# KiCad board kharon386_main.kicad_pcb (continued)
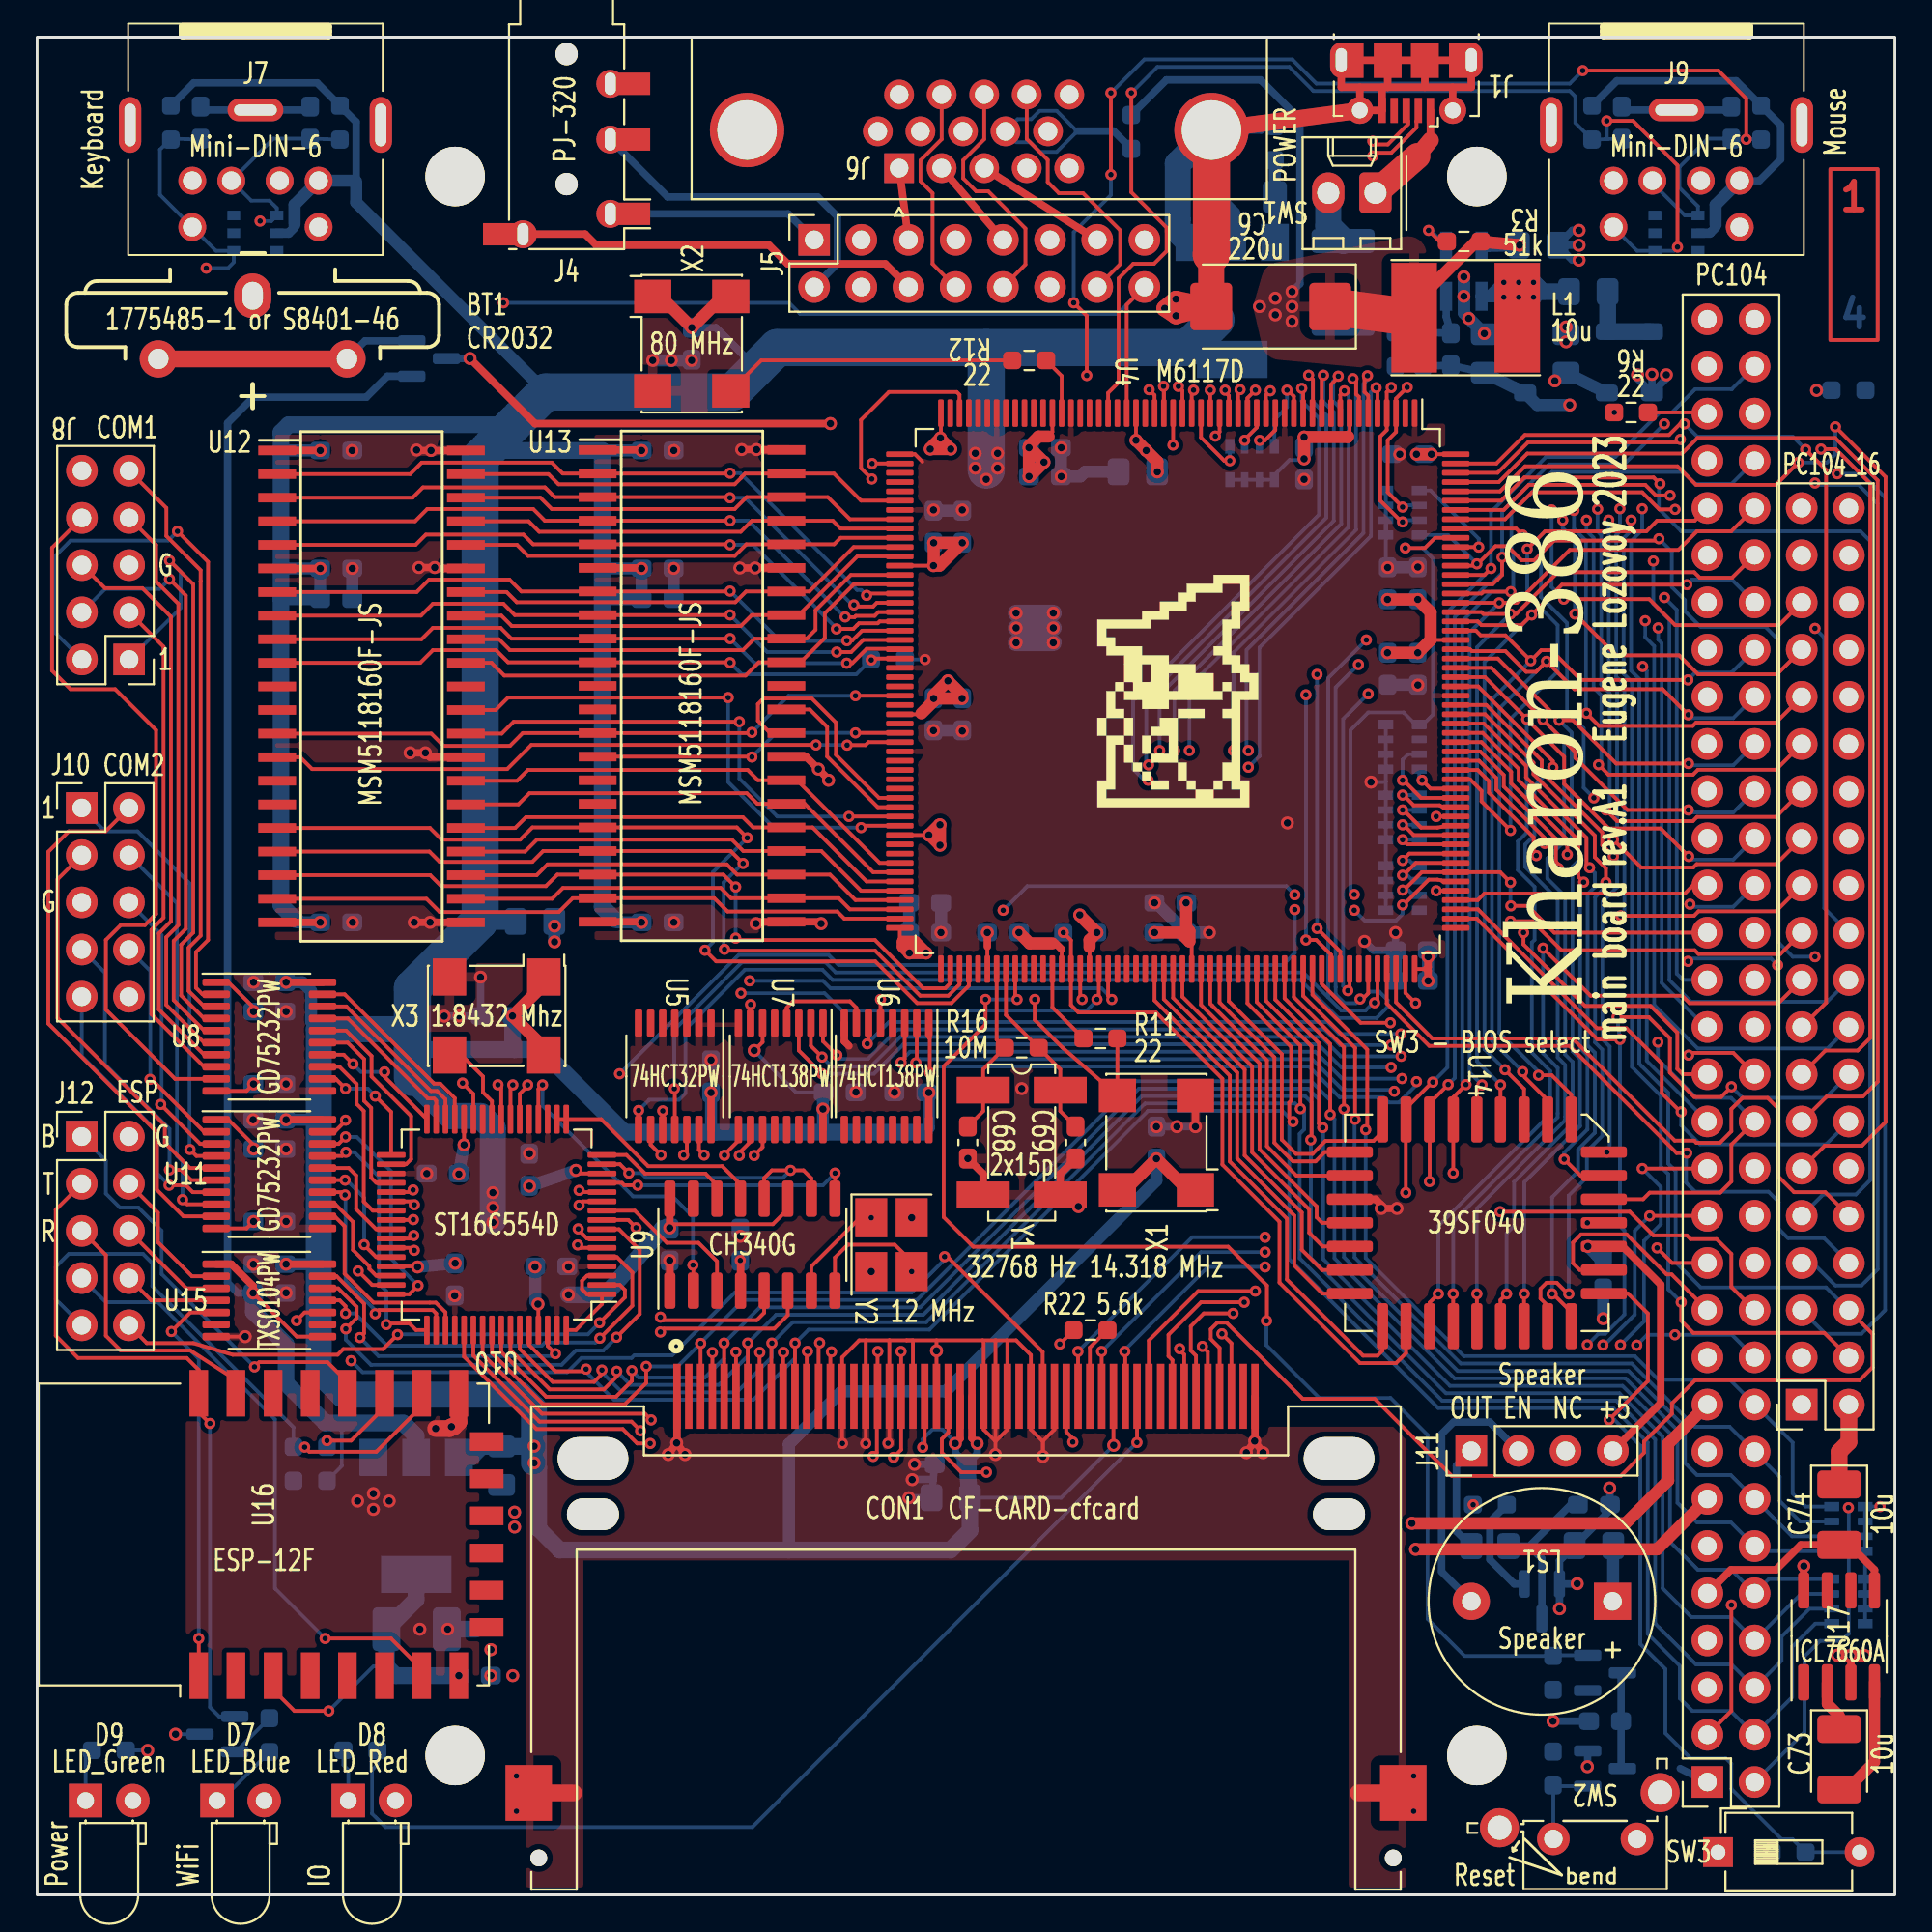
[diagram p0: board, top side]
## Placement (name value [footprint] x y rotation side) (continued)
R11  22  [R_0603_1608Metric_Pad0.98x0.95mm_HandSolder]  57.24 46.1 0 top
R12  22  [R_0603_1608Metric_Pad0.98x0.95mm_HandSolder]  53.4 82.6 180 top
R13  4.7k  [R_0603_1608Metric_Pad0.98x0.95mm_HandSolder]  56.15 51.8 180 bottom
R14  4.7k  [R_0603_1608Metric_Pad0.98x0.95mm_HandSolder]  92.8 95.4 270 bottom
R15  4.7k  [R_0603_1608Metric_Pad0.98x0.95mm_HandSolder]  83.7 95.4 270 bottom
R16  10M  [R_0603_1608Metric_Pad0.98x0.95mm_HandSolder]  53 45.6 0 top
R17  470  [R_0603_1608Metric_Pad0.98x0.95mm_HandSolder]  12.5 8.6 90 bottom
R18  470  [R_0603_1608Metric_Pad0.98x0.95mm_HandSolder]  17.4 7.78 0 bottom
R19  470  [R_0603_1608Metric_Pad0.98x0.95mm_HandSolder]  3.86 7.78 0 bottom
R20  33  [R_0805_2012Metric_Pad1.20x1.40mm_HandSolder]  78.2 18.77 0 bottom
R21  1k  [R_0603_1608Metric_Pad0.98x0.95mm_HandSolder]  78.2 21 0 bottom
R22  5.6k  [R_0603_1608Metric_Pad0.98x0.95mm_HandSolder]  56.7 30.4 180 top
R23  10k  [R_0603_1608Metric_Pad0.98x0.95mm_HandSolder]  81.6 11.95 270 bottom
R24  1k  [R_0603_1608Metric_Pad0.98x0.95mm_HandSolder]  97.5 81 180 bottom
R25  10k  [R_0603_1608Metric_Pad0.98x0.95mm_HandSolder]  13.8 23.2 270 bottom
R26  10k  [R_0603_1608Metric_Pad0.98x0.95mm_HandSolder]  94.28 2.3 180 bottom
R27  10k  [R_0603_1608Metric_Pad0.98x0.95mm_HandSolder]  15.6 23.2 270 bottom
RN1  4.7k  [R_Array_Convex_4x0603]  97.5 15.8 0 bottom
RN2  4.7k  [R_Array_Convex_4x0603]  97.5 19.7 0 bottom
RN3  4.7k  [R_Array_Convex_4x0603]  73.5 61.8 180 bottom
RN4  330  [R_Array_Convex_4x0603]  73.5 54.2 180 bottom
RN5  330  [R_Array_Convex_4x0603]  73.5 74.4 180 bottom
RN6  4.7k  [R_Array_Convex_4x0603]  65.4 77.08 90 bottom
RN7  1k  [R_Array_Convex_4x0603]  73.5 58 180 bottom
SW1  Jumper / Pin header 1x2 Pitch=2.54mm  [Molex_KK-254_AE-6410-02A_1x02_P2.54mm_Vertical]  72.04 91.62 180 top
SW2  SW_Push  [SW_Tactile_SPST_Angled_PTS645Vx83-2LFS]  86.12 3.01 180 top
SW3  SW_DIP_x01  [SW_DIP_SPSTx01_Slide_6.7x4.1mm_W7.62mm_P2.54mm_LowProfile]  90.48 2.3 0 top
U1  1117-3.3  [SOT-223-3_TabPin2]  20.4 20.4 270 bottom
U2  LMR62014  [SOT-23-5_HandSoldering]  76.8 87.4 90 bottom
U3  MAX809LEUR  [SOT-23]  84.4 11.95 0 bottom
U4  M6117D  [PQFP-208_28x28mm_P0.5mm]  61.4 64.8 270 top
U5  74HCT32PW  [TSSOP-14_4.4x5mm_P0.65mm]  34.32 44.06 270 top
U6  74HCT138PW  [TSSOP-16_4.4x5mm_P0.65mm]  45.72 44.06 270 top
U7  74HCT138PW  [TSSOP-16_4.4x5mm_P0.65mm]  40.03 44.06 270 top
U8  GD75232PW  [TSSOP-20_4.4x6.5mm_P0.65mm]  12.5 46.2 0 top
U9  CH340G  [SOIC-16_3.9x9.9mm_P1.27mm]  38.5 35 90 top
U10  ST16C554D  [LQFP-64_10x10mm_P0.5mm]  24.73 36.08 180 top
U11  GD75232PW  [TSSOP-20_4.4x6.5mm_P0.65mm]  12.5 38.8 0 top
U12  MSM5118160F-JS  [SOJ-42]  17.95 64.1 0 top
U13  MSM5118160F-JS  [SOJ-42]  35.2 64.13 0 top
U14  39SF040  [PLCC-32_11.4x14.0mm_P1.27mm-longpads]  77.5 36.17 270 top
U15  TXS0104PW  [TSSOP-14_4.4x5mm_P0.65mm]  12.5 32 0 top
U16  ESP-12F  [ESP-12E]  12.2 19.4 90 top
U17  ICL7660A  [SOIC-8_3.9x4.9mm_P1.27mm]  97 13.91 90 top
U18  IP4220CZ6  [TSOP-6_1.65x3.05mm_P0.95mm]  11.74 89.45 0 bottom
U19  IP4220CZ6  [TSOP-6_1.65x3.05mm_P0.95mm]  88.25 89.45 0 bottom
X1  14.318 MHz  [Oscillator_SMD_7050_7.0x5.0mm]  60.25 40.49 90 top
X2  80 MHz  [Oscillator_SMD_7050_7.0x5.0mm]  35.24 83.5 270 top
X3  1.8432 Mhz  [Oscillator_SMD_7050_7.0x5.0mm]  24.73 47.31 180 top
Y1  32768 Hz  [Crystal_SMD_SeikoEpson_MC306-4Pin_8.0x3.2mm_HandSoldering]  53 40.5 270 top
Y2  12 MHz  [Crystal_SMD_SeikoEpson_TSX3225-4Pin_3.2x2.5mm_HandSoldering]  45.99 35 270 top

## Library data of the parts
BT1 = -: Description: Multiple-cell battery
C1 C3-C5 C7-C72 = -: Description: Unpolarized capacitor
C2 C6 C73 C74 = -: Description: Polarized capacitor
D1 D5 D6 = -: Description: 20V 0.5A Schottky Power Rectifier Diode, SOD-123
D2 = -: Description: dual schottky barrier diode, common cathode
D3 = -: Description: Zener diode
D4 = -: Description: Silicon controlled rectifier, cathode/anode/gate
D7-D9 = -: Description: Light emitting diode
F1 = -: Description: Resettable fuse, polymeric positive temperature coefficient
H1-H4 = -: Description: Mounting Hole without connection
J1 = -: Description: USB Micro Type B connector
J2 = -: Description: Generic connector, double row, 02x20, odd/even pin numbering scheme (row 1 odd numbers, row 2 even numbers), script generated (kicad-library-utils/schlib/autogen/connector/); Field4: D    C
J3 = -: Description: Generic connector, double row, 02x32, odd/even pin numbering scheme (row 1 odd numbers, row 2 even numbers), script generated (kicad-library-utils/schlib/autogen/connector/); Field4: A    B
J4 = -: Description: Audio Jack, 4 Poles (TRRS); Desc: RPi pinout
J5 = -: Description: Generic connector, double row, 02x08, odd/even pin numbering scheme (row 1 odd numbers, row 2 even numbers), script generated (kicad-library-utils/schlib/autogen/connector/)
J6 = -: Description: 15-pin female D-SUB connector, High density (3 columns), Triple Row, Generic, VGA-connector, Mounting Hole
J7 J9 = -: Description: 6-pin Mini-DIN connector
J8 J10 J12 = -: Description: Generic connector, double row, 02x05, odd/even pin numbering scheme (row 1 odd numbers, row 2 even numbers), script generated (kicad-library-utils/schlib/autogen/connector/)
J11 = -: Description: Generic connector, single row, 01x04, script generated (kicad-library-utils/schlib/autogen/connector/)
L1 = -: Description: Inductor
LOGO1 = -: Desc: Logo
Q1 Q3 = -: Description: 0.1A Ic, 65V Vce, PNP Transistor, SOT-23
Q2 = -: Description: 0.8A Ic, 45V Vce, NPN Transistor, SOT-23
R1-R27 = -: Description: Resistor
RN1-RN7 = -: Description: 4 resistor network, parallel topology
SW1 = -: Description: Single Pole Single Throw (SPST) switch
SW2 = -: Description: Push button switch, generic, two pins; Desc: Reset
SW3 = -: Description: 1x DIP Switch, Single Pole Single Throw (SPST) switch, small symbol
U1 = -: Description: 1A Low Dropout regulator, positive, 3.3V fixed output, SOT-223
U5 = -: Description: Quad 2-input OR
U6 U7 = -: Description: Decoder 3 to 8 active low outputs
U8 U11 = -: Description: Multiple RS-232 Driver and Receiver, TSSOP-20
U9 = -: Description: USB serial converter, UART, SOIC-16
U14 = -: Description: Silicon Storage Technology (SSF) 128k x 8 Flash ROM
U15 = -: Description: 4-Bit Bidirectional Voltage-Level Translator, Auto Direction Sensing and ±15-kV ESD Protection, 1.2 - 3.6V APort, 1.65 - 5.5V BPort, TSSOP-14
U16 = -: Description: 802.11 b/g/n Wi-Fi Module
U17 = -: Description: Switched-Capacitor Voltage Converter, 1.5V to 10.0V operating supply voltage, 10mA with a 0.5V output drop, SO-8/DIP-8/µMAX-8/TO-99
X1-X3 = -: Description: HCMOS Clock Oscillator
Y1 = -: Description: Four pin crystal, GND on pins 2 and 3
Y2 = -: Description: Four pin crystal, GND on pins 2 and 4

## Footprints (pads in the part's own frame, mm; a bottom-side part is the same pattern mirrored in y, then rotated)
Buzzer_12x9.5RM7.6
  rect 2x2 hole 1: 1(0,0)
  round 2 hole 1: 2(7.6,0)
C_0603_1608Metric_Pad1.08x0.95mm_HandSolder
  rrect 1.075x0.95 smd: 1(-0.863,0) 2(0.863,0)
C_0805_2012Metric_Pad1.18x1.45mm_HandSolder
  rrect 1.175x1.45 smd: 1(-1.038,0) 2(1.038,0)
CP_EIA-3528-21_Kemet-B_Pad1.50x2.35mm_HandSolder
  rrect 1.5x2.35 smd: 1(-1.625,0) 2(1.625,0)
CP_EIA-7343-31_Kemet-D_Pad2.25x2.55mm_HandSolder
  rrect 2.25x2.55 smd: 1(-3.2,0) 2(3.2,0)
CR2032V
  round 2 hole 1.1: 1(0,0) 1(10.16,0)
  oval 2x2.4 hole 1.1x1.5: 2(5.08,3.4)
Crystal_SMD_SeikoEpson_MC306-4Pin_8.0x3.2mm_HandSoldering
  rect 1.43x2.85 smd: 1(-2.815,-2.075) 2(2.815,-2.075) 3(2.815,2.075) 4(-2.815,2.075)
Crystal_SMD_SeikoEpson_TSX3225-4Pin_3.2x2.5mm_HandSoldering
  rect 2.1x1.725 smd: 1(-1.45,-1.087) 2(1.45,-1.087) 3(1.45,1.087) 4(-1.45,1.087)
D_MiniMELF
  rrect 1.3x1.7 smd: 1(-1.75,0) 2(1.75,0)
D_SOD-123
  rrect 0.9x1.2 smd: 1(-1.65,0) 2(1.65,0)
DSUB-15-HD_Female_Horizontal_P2.29x1.98mm_EdgePinOffset3.03mm_Housed_MountingHolesOffset4.94mm
  round 4 hole 3.2: 0(-16.815,-2.05) 0(8.185,-2.05)
  rect 1.6x1.6 hole 1: 1(0,0)
  round 1.6 hole 1: 2(-2.29,0) 3(-4.58,0) 4(-6.87,0) 5(-9.16,0) 6(1.145,-1.98) 7(-1.145,-1.98) 8(-3.435,-1.98) 9(-5.725,-1.98) 10(-8.015,-1.98) 11(0,-3.96) 12(-2.29,-3.96) 13(-4.58,-3.96) 14(-6.87,-3.96) 15(-9.16,-3.96)
ESP-12E
  rect 2.5x1 smd: 1(-7.6,3.5) 2(-7.6,1.5) 3(-7.6,-0.5) 4(-7.6,-2.5) 5(-7.6,-4.5) 6(-7.6,-6.5) 7(-7.6,-8.5) 8(-7.6,-10.5) 15(7.6,-10.5) 16(7.6,-8.5) 17(7.6,-6.5) 18(7.6,-4.5) 19(7.6,-2.5) 20(7.6,-0.5) 21(7.6,1.5) 22(7.6,3.5)
  rect 1x1.8 smd: 9(-5,-12) 10(-3,-12) 11(-1,-12) 12(1,-12) 13(3,-12) 14(5,-12)
Fuse_1812_4532Metric_Pad1.30x3.40mm_HandSolder
  rrect 1.3x3.4 smd: 1(-2.225,0) 2(2.225,0)
L_Taiyo-Yuden_NR-60xx_HandSoldering
  rect 2.45x5.9 smd: 1(-2.775,0) 2(2.775,0)
LED_D3.0mm_Horizontal_O1.27mm_Z6.0mm
  rect 1.8x1.8 hole 0.9: 1(0,0)
  round 1.8 hole 0.9: 2(2.54,0)
LQFP-64_10x10mm_P0.5mm
  rrect 1.55x0.3 smd: 1(-5.675,3.75) 2(-5.675,3.25) 3(-5.675,2.75) 4(-5.675,2.25) 5(-5.675,1.75) 6(-5.675,1.25) 7(-5.675,0.75) 8(-5.675,0.25) 9(-5.675,-0.25) 10(-5.675,-0.75) 11(-5.675,-1.25) 12(-5.675,-1.75) 13(-5.675,-2.25) 14(-5.675,-2.75) 15(-5.675,-3.25) 16(-5.675,-3.75) 33(5.675,-3.75) 34(5.675,-3.25) 35(5.675,-2.75) 36(5.675,-2.25) 37(5.675,-1.75) 38(5.675,-1.25) 39(5.675,-0.75) 40(5.675,-0.25) 41(5.675,0.25) 42(5.675,0.75) 43(5.675,1.25) 44(5.675,1.75) 45(5.675,2.25) 46(5.675,2.75) 47(5.675,3.25) 48(5.675,3.75)
  rrect 0.3x1.55 smd: 17(-3.75,-5.675) 18(-3.25,-5.675) 19(-2.75,-5.675) 20(-2.25,-5.675) 21(-1.75,-5.675) 22(-1.25,-5.675) 23(-0.75,-5.675) 24(-0.25,-5.675) 25(0.25,-5.675) 26(0.75,-5.675) 27(1.25,-5.675) 28(1.75,-5.675) 29(2.25,-5.675) 30(2.75,-5.675) 31(3.25,-5.675) 32(3.75,-5.675) 49(3.75,5.675) 50(3.25,5.675) 51(2.75,5.675) 52(2.25,5.675) 53(1.75,5.675) 54(1.25,5.675) 55(0.75,5.675) 56(0.25,5.675) 57(-0.25,5.675) 58(-0.75,5.675) 59(-1.25,5.675) 60(-1.75,5.675) 61(-2.25,5.675) 62(-2.75,5.675) 63(-3.25,5.675) 64(-3.75,5.675)
minidin-6
  oval 1.2x3 hole 0.6x2.3: 0(-6.75,0.775) 0(6.75,0.775)
  oval 3x1.2 hole 2.3x0.6: 0(0,1.575)
  round 1.5 hole 1: 1(-1.3,-2.225) 2(1.3,-2.225) 3(-3.4,-2.225) 4(3.4,-2.225) 5(-3.4,-4.725) 6(3.4,-4.725)
Molex_KK-254_AE-6410-02A_1x02_P2.54mm_Vertical
  rrect 1.74x2.19 hole 1.19: 1(0,0)
  oval 1.74x2.19 hole 1.19: 2(2.54,0)
MountingHole_3.2mm_M3_dk5.2mm_Mask
  round 5.2 hole 3.2 unplated: (0,0)
Oscillator_SMD_7050_7.0x5.0mm
  rect 1.8x2 smd: 1(-2.54,-2.1) 2(2.54,-2.1) 3(2.54,2.1) 4(-2.54,2.1)
PinHeader_1x04_P2.54mm_Vertical
  rect 1.7x1.7 hole 1: 1(0,0)
  oval 1.7x1.7 hole 1: 2(0,-2.54) 3(0,-5.08) 4(0,-7.62)
PinHeader_2x05_P2.54mm_Vertical
  rect 1.7x1.7 hole 1: 1(0,0)
  oval 1.7x1.7 hole 1: 2(2.54,0) 3(0,-2.54) 4(2.54,-2.54) 5(0,-5.08) 6(2.54,-5.08) 7(0,-7.62) 8(2.54,-7.62) 9(0,-10.16) 10(2.54,-10.16)
PinSocket_2x08_P2.54mm_Vertical
  rect 1.7x1.7 hole 1: 1(0,0)
  oval 1.7x1.7 hole 1: 2(-2.54,0) 3(0,-2.54) 4(-2.54,-2.54) 5(0,-5.08) 6(-2.54,-5.08) 7(0,-7.62) 8(-2.54,-7.62) 9(0,-10.16) 10(-2.54,-10.16) 11(0,-12.7) 12(-2.54,-12.7) 13(0,-15.24) 14(-2.54,-15.24) 15(0,-17.78) 16(-2.54,-17.78)
PinSocket_2x20_P2.54mm_Vertical
  rect 1.7x1.7 hole 1: 1(0,0)
  oval 1.7x1.7 hole 1: 2(-2.54,0) 3(0,-2.54) 4(-2.54,-2.54) 5(0,-5.08) 6(-2.54,-5.08) 7(0,-7.62) 8(-2.54,-7.62) 9(0,-10.16) 10(-2.54,-10.16) 11(0,-12.7) 12(-2.54,-12.7) 13(0,-15.24) 14(-2.54,-15.24) 15(0,-17.78) 16(-2.54,-17.78) 17(0,-20.32) 18(-2.54,-20.32) 19(0,-22.86) 20(-2.54,-22.86) 21(0,-25.4) 22(-2.54,-25.4) 23(0,-27.94) 24(-2.54,-27.94) 25(0,-30.48) 26(-2.54,-30.48) 27(0,-33.02) 28(-2.54,-33.02) 29(0,-35.56) 30(-2.54,-35.56) 31(0,-38.1) 32(-2.54,-38.1) 33(0,-40.64) 34(-2.54,-40.64) 35(0,-43.18) 36(-2.54,-43.18) 37(0,-45.72) 38(-2.54,-45.72) 39(0,-48.26) 40(-2.54,-48.26)
PinSocket_2x32_P2.54mm_Vertical
  rect 1.7x1.7 hole 1: 1(0,0)
  oval 1.7x1.7 hole 1: 2(-2.54,0) 3(0,-2.54) 4(-2.54,-2.54) 5(0,-5.08) 6(-2.54,-5.08) 7(0,-7.62) 8(-2.54,-7.62) 9(0,-10.16) 10(-2.54,-10.16) 11(0,-12.7) 12(-2.54,-12.7) 13(0,-15.24) 14(-2.54,-15.24) 15(0,-17.78) 16(-2.54,-17.78) 17(0,-20.32) 18(-2.54,-20.32) 19(0,-22.86) 20(-2.54,-22.86) 21(0,-25.4) 22(-2.54,-25.4) 23(0,-27.94) 24(-2.54,-27.94) 25(0,-30.48) 26(-2.54,-30.48) 27(0,-33.02) 28(-2.54,-33.02) 29(0,-35.56) 30(-2.54,-35.56) 31(0,-38.1) 32(-2.54,-38.1) 33(0,-40.64) 34(-2.54,-40.64) 35(0,-43.18) 36(-2.54,-43.18) 37(0,-45.72) 38(-2.54,-45.72) 39(0,-48.26) 40(-2.54,-48.26) 41(0,-50.8) 42(-2.54,-50.8) 43(0,-53.34) 44(-2.54,-53.34) 45(0,-55.88) 46(-2.54,-55.88) 47(0,-58.42) 48(-2.54,-58.42) 49(0,-60.96) 50(-2.54,-60.96) 51(0,-63.5) 52(-2.54,-63.5) 53(0,-66.04) 54(-2.54,-66.04) 55(0,-68.58) 56(-2.54,-68.58) 57(0,-71.12) 58(-2.54,-71.12) 59(0,-73.66) 60(-2.54,-73.66) 61(0,-76.2) 62(-2.54,-76.2) 63(0,-78.74) 64(-2.54,-78.74)
PJ-320A_D
  round 1.2 hole 1.2 unplated: (0,3.5) (0,-3.5)
  round 1.5 hole 0.6x1.2: R1(2.35,-1.1) R2(2.35,1.9) S(-2.35,-6.2) T(2.35,-5.1)
  rect 2.5x1.2 smd: R1(3.25,-1.1) R2(3.25,1.9) S(-3.25,-6.2) T(3.25,-5.1)
PLCC-32_11.4x14.0mm_P1.27mm-longpads
  rrect 0.6x2.475 smd: 1(0,6.838) 2(-1.27,6.838) 3(-2.54,6.838) 4(-3.81,6.838) 14(-3.81,-6.838) 15(-2.54,-6.838) 16(-1.27,-6.838) 17(0,-6.838) 18(1.27,-6.838) 19(2.54,-6.838) 20(3.81,-6.838) 30(3.81,6.838) 31(2.54,6.838) 32(1.27,6.838)
  rrect 2.475x0.6 smd: 5(-5.562,5.08) 6(-5.562,3.81) 7(-5.562,2.54) 8(-5.562,1.27) 9(-5.562,0) 10(-5.562,-1.27) 11(-5.562,-2.54) 12(-5.562,-3.81) 13(-5.562,-5.08) 21(5.562,-5.08) 22(5.562,-3.81) 23(5.562,-2.54) 24(5.562,-1.27) 25(5.562,0) 26(5.562,1.27) 27(5.562,2.54) 28(5.562,3.81) 29(5.562,5.08)
PQFP-208_28x28mm_P0.5mm
  rrect 1.475x0.3 smd: 1(-14.963,12.75) 2(-14.963,12.25) 3(-14.963,11.75) 4(-14.963,11.25) 5(-14.963,10.75) 6(-14.963,10.25) 7(-14.963,9.75) 8(-14.963,9.25) 9(-14.963,8.75) 10(-14.963,8.25) 11(-14.963,7.75) 12(-14.963,7.25) 13(-14.963,6.75) 14(-14.963,6.25) 15(-14.963,5.75) 16(-14.963,5.25) 17(-14.963,4.75) 18(-14.963,4.25) 19(-14.963,3.75) 20(-14.963,3.25) 21(-14.963,2.75) 22(-14.963,2.25) 23(-14.963,1.75) 24(-14.963,1.25) 25(-14.963,0.75) 26(-14.963,0.25) 27(-14.963,-0.25) 28(-14.963,-0.75) 29(-14.963,-1.25) 30(-14.963,-1.75) 31(-14.963,-2.25) 32(-14.963,-2.75) 33(-14.963,-3.25) 34(-14.963,-3.75) 35(-14.963,-4.25) 36(-14.963,-4.75) 37(-14.963,-5.25) 38(-14.963,-5.75) 39(-14.963,-6.25) 40(-14.963,-6.75) 41(-14.963,-7.25) 42(-14.963,-7.75) 43(-14.963,-8.25) 44(-14.963,-8.75) 45(-14.963,-9.25) 46(-14.963,-9.75) 47(-14.963,-10.25) 48(-14.963,-10.75) 49(-14.963,-11.25) 50(-14.963,-11.75) 51(-14.963,-12.25) 52(-14.963,-12.75) 105(14.963,-12.75) 106(14.963,-12.25) 107(14.963,-11.75) 108(14.963,-11.25) 109(14.963,-10.75) 110(14.963,-10.25) 111(14.963,-9.75) 112(14.963,-9.25) 113(14.963,-8.75) 114(14.963,-8.25) 115(14.963,-7.75) 116(14.963,-7.25) 117(14.963,-6.75) 118(14.963,-6.25) 119(14.963,-5.75) 120(14.963,-5.25) 121(14.963,-4.75) 122(14.963,-4.25) 123(14.963,-3.75) 124(14.963,-3.25) 125(14.963,-2.75) 126(14.963,-2.25) 127(14.963,-1.75) 128(14.963,-1.25) 129(14.963,-0.75) 130(14.963,-0.25) 131(14.963,0.25) 132(14.963,0.75) 133(14.963,1.25) 134(14.963,1.75) 135(14.963,2.25) 136(14.963,2.75) 137(14.963,3.25) 138(14.963,3.75) 139(14.963,4.25) 140(14.963,4.75) 141(14.963,5.25) 142(14.963,5.75) 143(14.963,6.25) 144(14.963,6.75) 145(14.963,7.25) 146(14.963,7.75) 147(14.963,8.25) 148(14.963,8.75) 149(14.963,9.25) 150(14.963,9.75) 151(14.963,10.25) 152(14.963,10.75) 153(14.963,11.25) 154(14.963,11.75) 155(14.963,12.25) 156(14.963,12.75)
  rrect 0.3x1.475 smd: 53(-12.75,-14.963) 54(-12.25,-14.963) 55(-11.75,-14.963) 56(-11.25,-14.963) 57(-10.75,-14.963) 58(-10.25,-14.963) 59(-9.75,-14.963) 60(-9.25,-14.963) 61(-8.75,-14.963) 62(-8.25,-14.963) 63(-7.75,-14.963) 64(-7.25,-14.963) 65(-6.75,-14.963) 66(-6.25,-14.963) 67(-5.75,-14.963) 68(-5.25,-14.963) 69(-4.75,-14.963) 70(-4.25,-14.963) 71(-3.75,-14.963) 72(-3.25,-14.963) 73(-2.75,-14.963) 74(-2.25,-14.963) 75(-1.75,-14.963) 76(-1.25,-14.963) 77(-0.75,-14.963) 78(-0.25,-14.963) 79(0.25,-14.963) 80(0.75,-14.963) 81(1.25,-14.963) 82(1.75,-14.963) 83(2.25,-14.963) 84(2.75,-14.963) 85(3.25,-14.963) 86(3.75,-14.963) 87(4.25,-14.963) 88(4.75,-14.963) 89(5.25,-14.963) 90(5.75,-14.963) 91(6.25,-14.963) 92(6.75,-14.963) 93(7.25,-14.963) 94(7.75,-14.963) 95(8.25,-14.963) 96(8.75,-14.963) 97(9.25,-14.963) 98(9.75,-14.963) 99(10.25,-14.963) 100(10.75,-14.963) 101(11.25,-14.963) 102(11.75,-14.963) 103(12.25,-14.963) 104(12.75,-14.963) 157(12.75,14.963) 158(12.25,14.963) 159(11.75,14.963) 160(11.25,14.963) 161(10.75,14.963) 162(10.25,14.963) 163(9.75,14.963) 164(9.25,14.963) 165(8.75,14.963) 166(8.25,14.963) 167(7.75,14.963) 168(7.25,14.963) 169(6.75,14.963) 170(6.25,14.963) 171(5.75,14.963) 172(5.25,14.963) 173(4.75,14.963) 174(4.25,14.963) 175(3.75,14.963) 176(3.25,14.963) 177(2.75,14.963) 178(2.25,14.963) 179(1.75,14.963) 180(1.25,14.963) 181(0.75,14.963) 182(0.25,14.963) 183(-0.25,14.963) 184(-0.75,14.963) 185(-1.25,14.963) 186(-1.75,14.963) 187(-2.25,14.963) 188(-2.75,14.963) 189(-3.25,14.963) 190(-3.75,14.963) 191(-4.25,14.963) 192(-4.75,14.963) 193(-5.25,14.963) 194(-5.75,14.963) 195(-6.25,14.963) 196(-6.75,14.963) 197(-7.25,14.963) 198(-7.75,14.963) 199(-8.25,14.963) 200(-8.75,14.963) 201(-9.25,14.963) 202(-9.75,14.963) 203(-10.25,14.963) 204(-10.75,14.963) 205(-11.25,14.963) 206(-11.75,14.963) 207(-12.25,14.963) 208(-12.75,14.963)
R_0603_1608Metric_Pad0.98x0.95mm_HandSolder
  rrect 0.975x0.95 smd: 1(-0.912,0) 2(0.912,0)
R_0805_2012Metric_Pad1.20x1.40mm_HandSolder
  rrect 1.2x1.4 smd: 1(-1,0) 2(1,0)
R_Array_Convex_4x0603
  rect 0.8x0.5 smd: 1(-0.9,1.2) 4(-0.9,-1.2) 5(0.9,-1.2) 8(0.9,1.2)
  rect 0.8x0.4 smd: 2(-0.9,0.4) 3(-0.9,-0.4) 6(0.9,-0.4) 7(0.9,0.4)
SOIC-8_3.9x4.9mm_P1.27mm
  rrect 1.95x0.6 smd: 1(-2.475,1.905) 2(-2.475,0.635) 3(-2.475,-0.635) 4(-2.475,-1.905) 5(2.475,-1.905) 6(2.475,-0.635) 7(2.475,0.635) 8(2.475,1.905)
SOIC-16_3.9x9.9mm_P1.27mm
  rrect 1.95x0.6 smd: 1(-2.475,4.445) 2(-2.475,3.175) 3(-2.475,1.905) 4(-2.475,0.635) 5(-2.475,-0.635) 6(-2.475,-1.905) 7(-2.475,-3.175) 8(-2.475,-4.445) 9(2.475,-4.445) 10(2.475,-3.175) 11(2.475,-1.905) 12(2.475,-0.635) 13(2.475,0.635) 14(2.475,1.905) 15(2.475,3.175) 16(2.475,4.445)
SOJ-42
  rect 2.032x0.508 smd: 1(-5.03,13.65) 2(-5.03,12.38) 3(-5.03,11.11) 4(-5.03,9.84) 5(-5.03,8.57) 6(-5.03,7.3) 7(-5.03,6.03) 8(-5.03,4.76) 9(-5.03,3.49) 10(-5.03,2.22) 11(-5.03,0.95) 12(-5.03,-0.32) 13(-5.03,-1.59) 14(-5.03,-2.86) 15(-5.03,-4.13) 16(-5.03,-5.4) 17(-5.03,-6.67) 18(-5.03,-7.94) 19(-5.03,-9.21) 20(-5.03,-10.48) 21(-5.03,-11.75) 22(5.13,-11.75) 23(5.13,-10.48) 24(5.13,-9.21) 25(5.13,-7.94) 26(5.13,-6.67) 27(5.13,-5.4) 28(5.13,-4.13) 29(5.13,-2.86) 30(5.13,-1.59) 31(5.13,-0.32) 32(5.13,0.95) 33(5.13,2.22) 34(5.13,3.49) 35(5.13,4.76) 36(5.13,6.03) 37(5.13,7.3) 38(5.13,8.57) 39(5.13,9.84) 40(5.13,11.11) 41(5.13,12.38) 42(5.13,13.65)
SOT-23
  rrect 1.475x0.6 smd: 1(-0.938,0.95) 2(-0.938,-0.95) 3(0.938,0)
SOT-23-5_HandSoldering
  rect 1.56x0.65 smd: 1(-1.35,0.95) 2(-1.35,0) 3(-1.35,-0.95) 4(1.35,-0.95) 5(1.35,0.95)
SOT-223-3_TabPin2
  rect 2x1.5 smd: 1(-3.15,2.3) 2(-3.15,0) 3(-3.15,-2.3)
  rect 2x3.8 smd: 2(3.15,0)
SW_DIP_SPSTx01_Slide_6.7x4.1mm_W7.62mm_P2.54mm_LowProfile
  rect 1.6x1.6 hole 0.8: 1(0,0)
  oval 1.6x1.6 hole 0.8: 2(7.62,0)
SW_Tactile_SPST_Angled_PTS645Vx83-2LFS
  round 2.1 hole 1.3: (-1.25,-2.49) (7.4,-0.6)
  round 1.75 hole 0.99: 1(0,0) 2(4.5,0)
TE_1734451-1-LONG
  round 0.9 hole 0.9 unplated: (-23,-24.85) (23,-24.85)
  oval 3.8x2.3 hole 3.8x2.3 unplated: (-20.08,-3.35) (20.08,-3.35)
  oval 2.8x1.7 hole 2.8x1.7 unplated: (-20.08,-6.35) (20.08,-6.35)
  rect 0.4x3.5 smd: 1(-15.557,0) 2(-14.287,0) 3(-13.018,0) 4(-11.748,0) 5(-10.477,0) 6(-9.207,0) 7(-7.938,0) 8(-6.668,0) 9(-5.397,0) 10(-4.128,0) 11(-2.857,0) 12(-1.587,0) 13(-0.318,0) 14(0.953,0) 15(2.223,0) 16(3.493,0) 17(4.763,0) 18(6.032,0) 19(7.303,0) 20(8.572,0) 21(9.842,0) 22(11.113,0) 23(12.383,0) 24(13.652,0) 25(14.922,0) 26(-14.922,0) 27(-13.652,0) 28(-12.383,0) 29(-11.113,0) 30(-9.842,0) 31(-8.572,0) 32(-7.303,0) 33(-6.032,0) 34(-4.763,0) 35(-3.493,0) 36(-2.223,0) 37(-0.953,0) 38(0.318,0) 39(1.587,0) 40(2.857,0) 41(4.128,0) 42(5.397,0) 43(6.668,0) 44(7.938,0) 45(9.207,0) 46(10.477,0) 47(11.748,0) 48(13.018,0) 49(14.287,0) 50(15.557,0)
  rect 2.5x3 smd: S1(-23.54,-21.35) S2(23.54,-21.35)
TSOP-6_1.65x3.05mm_P0.95mm
  rect 0.7x0.51 smd: 1(-1.16,0.95) 2(-1.16,0) 3(-1.16,-0.95) 4(1.16,-0.95) 5(1.16,0) 6(1.16,0.95)
TSSOP-14_4.4x5mm_P0.65mm
  rrect 1.475x0.4 smd: 1(-2.862,1.95) 2(-2.862,1.3) 3(-2.862,0.65) 4(-2.862,0) 5(-2.862,-0.65) 6(-2.862,-1.3) 7(-2.862,-1.95) 8(2.862,-1.95) 9(2.862,-1.3) 10(2.862,-0.65) 11(2.862,0) 12(2.862,0.65) 13(2.862,1.3) 14(2.862,1.95)
TSSOP-16_4.4x5mm_P0.65mm
  rrect 1.475x0.4 smd: 1(-2.862,2.275) 2(-2.862,1.625) 3(-2.862,0.975) 4(-2.862,0.325) 5(-2.862,-0.325) 6(-2.862,-0.975) 7(-2.862,-1.625) 8(-2.862,-2.275) 9(2.862,-2.275) 10(2.862,-1.625) 11(2.862,-0.975) 12(2.862,-0.325) 13(2.862,0.325) 14(2.862,0.975) 15(2.862,1.625) 16(2.862,2.275)
TSSOP-20_4.4x6.5mm_P0.65mm
  rrect 1.475x0.4 smd: 1(-2.862,2.925) 2(-2.862,2.275) 3(-2.862,1.625) 4(-2.862,0.975) 5(-2.862,0.325) 6(-2.862,-0.325) 7(-2.862,-0.975) 8(-2.862,-1.625) 9(-2.862,-2.275) 10(-2.862,-2.925) 11(2.862,-2.925) 12(2.862,-2.275) 13(2.862,-1.625) 14(2.862,-0.975) 15(2.862,-0.325) 16(2.862,0.325) 17(2.862,0.975) 18(2.862,1.625) 19(2.862,2.275) 20(2.862,2.925)
USB_Micro-B_Molex-105017-0001
  rect 0.4x1.35 smd: 1(-1.3,1.462) 2(-0.65,1.462) 3(0,1.462) 4(0.65,1.462) 5(1.3,1.462)
  oval 1.2x1.9 hole 0.6x1.3: 6(-3.5,-1.238) 6(3.5,-1.238)
  rect 1.2x1.9 smd: 6(-2.9,-1.238) 6(2.9,-1.238)
  round 1.45 hole 0.85: 6(-2.5,1.462) 6(2.5,1.462)
  rect 1.5x1.9 smd: 6(-1,-1.238) 6(1,-1.238)
